# Altium PCB PCB_v4.PcbDoc (part 1 of 7) (continued)
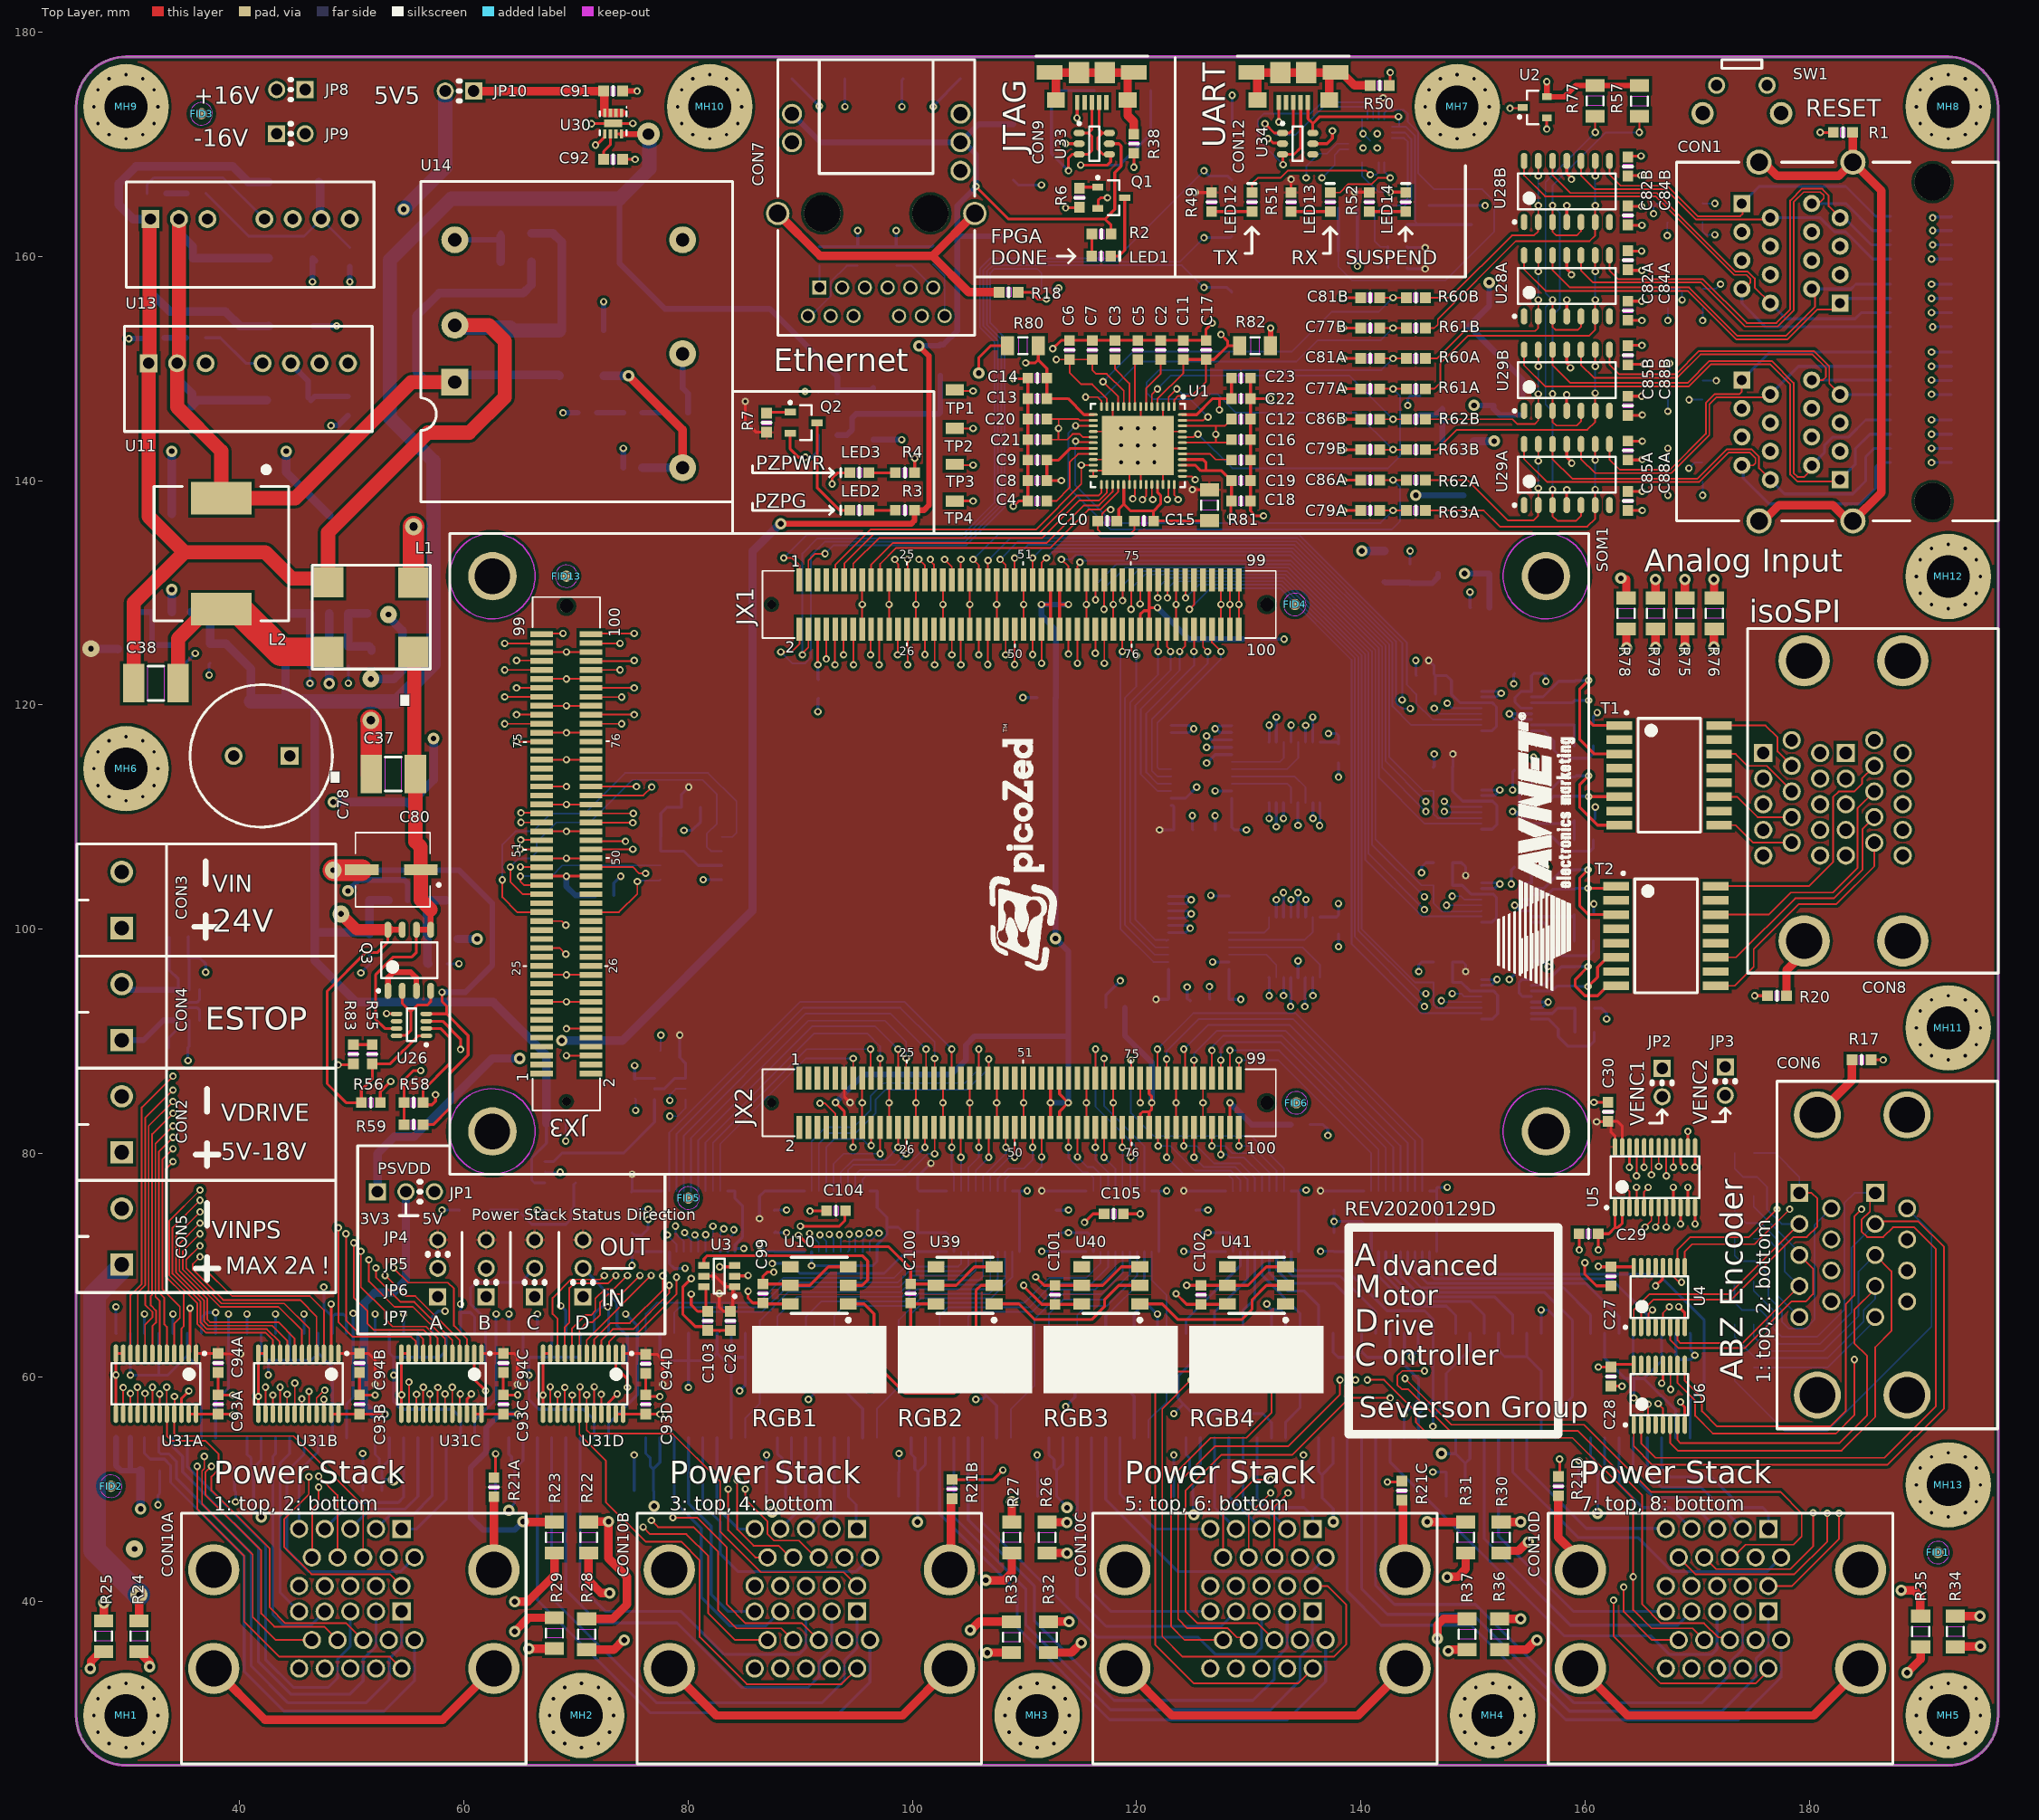
[diagram p0: Top Layer view]
## Classes and differential pairs (continued)
differential pair SPI2_OUT: +SPI2_OUT_P -SPI2_OUT_N
differential pair SPI2_IN: +SPI2_IN_P -SPI2_IN_N
differential pair SPI1_OUT: +SPI1_OUT_P -SPI1_OUT_N
differential pair SPI1_IN: +SPI1_IN_P -SPI1_IN_N
differential pair JTAG_USB: +JTAG_USB_P -JTAG_USB_N
differential pair UART_USB_D: +UART_USB_D_P -UART_USB_D_N
differential pair ANLG8: +ANLG_P4 -ANLG_N4
differential pair ANLG7: +ANLG_P5 -ANLG_N5
differential pair ANLG6: +ANLG_P1 -ANLG_N1
differential pair ANLG5: +ANLG_P8 -ANLG_N8
differential pair ANLG4: +ANLG_P7 -ANLG_N7
differential pair ANLG3: +ANLG_P2 -ANLG_N2
differential pair ANLG2: +ANLG_P3 -ANLG_N3
differential pair ANLG1: +ANLG_P6 -ANLG_N6
differential pair ETH_MD4: +ETH_MD4_P -ETH_MD4_N
differential pair ETH_MD3: +ETH_MD3_P -ETH_MD3_N
differential pair ETH_MD2: +ETH_MD2_P -ETH_MD2_N
differential pair ETH_MD1: +ETH_MD1_P -ETH_MD1_N

## Components (designator, comment, footprint, x,y, rotation, side; value= is the part's Value field where it differs from the comment)
C1 "Capacitor" 0603-CAP 129.311,141.832 r0 top value=10uF
C2 "Capacitor" 0603-CAP 122.135,151.654 r90 top value=10uF
C3 "Capacitor" 0603-CAP 118.075,151.654 r90 top value=10uF
C4 "Capacitor" 0603-CAP 111.147,138.176 r180 top value=10uF
C5 "Capacitor" 0603-CAP 120.105,151.654 r90 top value=1uF
C6 "Capacitor" 0603-CAP 114.016,151.654 r90 top value=0.1uF
C7 "Capacitor" 0603-CAP 116.046,151.654 r90 top value=0.1uF
C8 "Capacitor" 0603-CAP 111.147,140.004 r180 top value=10uF
C9 "Capacitor" 0603-CAP 111.147,141.832 r180 top value=0.1uF
C10 "Capacitor" 0603-CAP 117.385,136.398 r180 top value=0.1uF
C11 "Capacitor" 0603-CAP 124.165,151.654 r90 top value=0.1uF
C12 "Capacitor" 0603-CAP 129.311,145.487 r0 top value=0.1uF
C13 "Capacitor" 0603-CAP 111.147,147.315 r180 top value=10uF
C14 "Capacitor" 0603-CAP 111.147,149.143 r180 top value=0.1uF
C15 "Capacitor" 0603-CAP 120.661,136.398 r180 top value=0.1uF
C16 "Capacitor" 0603-CAP 129.311,143.659 r0 top value=0.1uF
C17 "Capacitor" 0603-CAP 126.195,151.654 r90 top value=0.1uF
C18 "Capacitor" 0603-CAP 129.311,138.176 r0 top value=10uF
C19 "Capacitor" 0603-CAP 129.311,140.004 r0 top value=0.1uF
C20 "Capacitor" 0603-CAP 111.147,145.487 r180 top value=0.1uF
C21 "Capacitor" 0603-CAP 111.147,143.659 r180 top value=0.1uF
C22 "Capacitor" 0603-CAP 129.311,147.315 r0 top value=10uF
C23 "Capacitor" 0603-CAP 129.311,149.143 r0 top value=0.1uF
C24 "Capacitor" 0603-CAP 91.606,121.412 r90 bottom value=100nF
C25 "Capacitor" 0603-CAP 34.544,99.251 r180 bottom value=100nF
C26 "Capacitor" 0603-CAP 83.767,65.036 r270 top value=1uF
C27 "Capacitor" 0603-CAP 162.305,69.017 r90 top value=100nF
C28 "Capacitor" 0603-CAP 162.305,60.077 r90 top value=100nF
C29 "Capacitor" 0603-CAP 160.318,72.817 r180 top value=100nF
C30 "Capacitor" 0603-CAP 162.043,83.693 r90 top value=100nF
C31 "Capacitor" 0603-CAP 101.852,160.147 r270 bottom value=0.1uF
C32 "Capacitor" 0603-CAP 98.552,160.02 r270 bottom value=0.1uF
C33 "Capacitor" 0603-CAP 91.694,160.02 r270 bottom value=0.1uF
C34 "Capacitor" 0603-CAP 95.123,160.02 r270 bottom value=0.1uF
C35 "Capacitor" 1808-CAP 44.374,147.163 r0 bottom value="1000pF, 2kV"
C36 "Capacitor" 1808-CAP 44.565,153.765 r0 bottom value="1000pF, 2kV"
C37 "Capacitor" 1812-CAP 53.693,113.826 r0 top value="6.8uF, 50V"
C38 "Capacitor" 1812-CAP 32.512,121.92 r0 top value="6.8uF, 50V"
C39 "Capacitor" 0603-CAP 49.645,146.655 r90 bottom value=10uF
C40 "Capacitor" 1812-CAP 33.77,146.655 r0 bottom value="6.8uF, 50V"
C41 "Capacitor" 1808-CAP 44.537,159.839 r0 bottom value="1000pF, 2kV"
C42 "Capacitor" 1808-CAP 45.085,166.629 r0 bottom value="1000pF, 2kV"
C43 "Capacitor" 0603-CAP 78.405,89.182 r180 bottom value=1uF
C44 "Capacitor" 0603-CAP 49.808,159.941 r270 bottom value=10uF
C45 "Capacitor" 0603-CAP 75.248,85.736 r270 bottom value=1uF
C46 "Capacitor" 1812-CAP 33.832,159.839 r0 bottom value="6.8uF, 50V"
C47 "Capacitor" 1808-CAP 70.485,149.352 r0 bottom value="1000pF, 2kV"
C48 "Capacitor" 1808-CAP 70.485,153.416 r0 bottom value="1000pF, 2kV"
C49 "Capacitor" 1812-CAP 64.389,151.384 r270 bottom value="6.8uF, 50V"
C50 "Capacitor" 0603-CAP 75.057,141.157 r0 bottom value=10uF
C51 "Capacitor" 0603-CAP 51.57,98.738 r270 bottom value=10uF
C52 "Capacitor" 0603-CAP 57.655,96.901 r0 bottom value=10uF
C53 "Capacitor" 0603-CAP 68.199,82.677 r0 bottom value=10uF
C54 "Capacitor" 0603-CAP 68.699,74.914 r180 bottom value=10uF
C55 "Capacitor" 0603-CAP 92.456,147.869 r180 bottom value=10uF
C56 "Capacitor" 0603-CAP 92.456,144.059 r180 bottom value=10uF
C57 "Capacitor" 0603-CAP 150.622,128.651 r0 bottom value=1uF
C58 "Capacitor" 0603-CAP 144.399,131.683 r270 bottom value=1uF
C59 "Capacitor" 0603-CAP 154.432,146.706 r270 bottom value=1uF
C60 "Capacitor" 0603-CAP 145.288,146.706 r90 bottom value=1uF
C61 "Capacitor" 0603-CAP 46.275,124.46 r270 bottom value=10uF
C62 "Capacitor" 0603-CAP 49.678,124.352 r270 bottom value=10uF
C63 "Capacitor" 0603-CAP 37.348,124.587 r270 bottom value=10uF
C64 "Capacitor" 0603-CAP 33.944,124.479 r270 bottom value=10uF
C65 "Capacitor" 0603-CAP 149.86,163.683 r90 bottom value=0.1uF
C66 "Capacitor" 0603-CAP 146.09,163.683 r90 bottom value=1uF
C67 "Capacitor" 0603-CAP 147.955,163.683 r90 bottom value=1uF
C68 "Capacitor" 0603-CAP 138.834,160.472 r180 bottom value=0.1uF
C69 "Capacitor" 0603-CAP 138.834,162.377 r180 bottom value=1uF
C70 "Capacitor" 0603-CAP 138.834,164.282 r180 bottom value=1uF
C71A "Capacitor" 0603-CAP 137.616,72.064 r90 bottom value=100nF (schematic designator C71)
C71B "Capacitor" 0603-CAP 125.281,72.064 r90 bottom value=100nF (schematic designator C71)
C71C "Capacitor" 0603-CAP 112.835,72.064 r90 bottom value=100nF (schematic designator C71)
C71D "Capacitor" 0603-CAP 100.454,72.064 r90 bottom value=100nF (schematic designator C71)
C71E "Capacitor" 0603-CAP 87.689,72.064 r90 bottom value=100nF (schematic designator C71)
C71F "Capacitor" 0603-CAP 74.989,72.064 r90 bottom value=100nF (schematic designator C71)
C72A "Capacitor" 0603-CAP 148.463,51.562 r180 bottom value=1uF (schematic designator C72)
C72B "Capacitor" 0603-CAP 124.152,51.562 r180 bottom value=1uF (schematic designator C72)
C72C "Capacitor" 0603-CAP 99.634,51.562 r180 bottom value=1uF (schematic designator C72)
C72D "Capacitor" 0603-CAP 76.034,51.816 r180 bottom value=1uF (schematic designator C72)
C72E "Capacitor" 0603-CAP 51.816,51.943 r180 bottom value=1uF (schematic designator C72)
C72F "Capacitor" 0603-CAP 32.004,51.689 r0 bottom value=1uF (schematic designator C72)
C73A "Capacitor" 0603-CAP 148.463,49.403 r180 bottom value=100nF (schematic designator C73)
C73B "Capacitor" 0603-CAP 124.152,49.403 r180 bottom value=100nF (schematic designator C73)
C73C "Capacitor" 0603-CAP 99.634,49.403 r180 bottom value=100nF (schematic designator C73)
C73D "Capacitor" 0603-CAP 76.034,49.911 r180 bottom value=100nF (schematic designator C73)
C73E "Capacitor" 0603-CAP 51.816,49.911 r180 bottom value=100nF (schematic designator C73)
C73F "Capacitor" 0603-CAP 32.004,49.657 r0 bottom value=100nF (schematic designator C73)
C74A "Capacitor" 0603-CAP 137.616,75.764 r90 bottom value=100nF (schematic designator C74)
C74B "Capacitor" 0603-CAP 125.281,75.764 r90 bottom value=100nF (schematic designator C74)
C74C "Capacitor" 0603-CAP 112.835,75.764 r90 bottom value=100nF (schematic designator C74)
C74D "Capacitor" 0603-CAP 100.454,75.764 r90 bottom value=100nF (schematic designator C74)
C74E "Capacitor" 0603-CAP 87.689,75.764 r90 bottom value=100nF (schematic designator C74)
C74F "Capacitor" 0603-CAP 74.989,75.764 r90 bottom value=100nF (schematic designator C74)
C75A "Capacitor" 0603-CAP 160.274,51.308 r180 bottom value=1uF (schematic designator C75)
C75B "Capacitor" 0603-CAP 135.692,51.308 r180 bottom value=1uF (schematic designator C75)
C75C "Capacitor" 0603-CAP 112.014,51.689 r180 bottom value=1uF (schematic designator C75)
C75D "Capacitor" 0603-CAP 87.838,51.689 r180 bottom value=1uF (schematic designator C75)
C75E "Capacitor" 0603-CAP 63.663,51.816 r180 bottom value=1uF (schematic designator C75)
C75F "Capacitor" 0603-CAP 40.386,51.943 r180 bottom value=1uF (schematic designator C75)
C76A "Capacitor" 0603-CAP 160.274,49.276 r180 bottom value=100nF (schematic designator C76)
C76B "Capacitor" 0603-CAP 135.692,49.276 r180 bottom value=100nF (schematic designator C76)
C76C "Capacitor" 0603-CAP 112.014,49.403 r180 bottom value=100nF (schematic designator C76)
C76D "Capacitor" 0603-CAP 87.838,49.657 r180 bottom value=100nF (schematic designator C76)
C76E "Capacitor" 0603-CAP 63.663,49.784 r180 bottom value=100nF (schematic designator C76)
C76F "Capacitor" 0603-CAP 40.386,49.911 r180 bottom value=100nF (schematic designator C76)
C77A "Capacitor" 0603-CAP 140.826,148.183 r180 top value=33nF (schematic designator C77)
C77B "Capacitor" 0603-CAP 140.826,153.605 r180 top value=33nF (schematic designator C77)
C78 "Cap Pol1" "CAP - UVR1H102MHD1TO" 44.45,115.443 r180 top value=1000uF
C79A "Capacitor" 0603-CAP 140.826,137.337 r180 top value=33nF (schematic designator C79)
C79B "Capacitor" 0603-CAP 140.826,142.76 r180 top value=33nF (schematic designator C79)
C80 "Cap Pol1" "CAP - UWT1V101MCL1GS" 56.972,101.981 r180 top value=100uF
C81A "Capacitor" 0603-CAP 140.826,150.894 r180 top value=33nF (schematic designator C81)
C81B "Capacitor" 0603-CAP 140.826,156.317 r180 top value=33nF (schematic designator C81)
C82A "Capacitor" 0603-CAP 163.83,159.66 r90 top value=1uF (schematic designator C82)
C82B "Capacitor" 0603-CAP 163.83,168.021 r90 top value=1uF (schematic designator C82)
C83 "Capacitor" 0603-CAP 72.517,102.997 r180 bottom value=10uF
C84A "Capacitor" 0603-CAP 163.83,155.162 r90 top value=1uF (schematic designator C84)
C84B "Capacitor" 0603-CAP 163.83,163.65 r90 top value=1uF (schematic designator C84)
C85A "Capacitor" 0603-CAP 163.83,142.685 r90 top value=1uF (schematic designator C85)
C85B "Capacitor" 0603-CAP 163.83,151.173 r90 top value=1uF (schematic designator C85)
C86A "Capacitor" 0603-CAP 140.826,140.048 r180 top value=33nF (schematic designator C86)
C86B "Capacitor" 0603-CAP 140.826,145.471 r180 top value=33nF (schematic designator C86)
C87 "Capacitor" 0603-CAP 118.098,92.964 r0 bottom value=10uF
C88A "Capacitor" 0603-CAP 163.83,138.187 r90 top value=1uF (schematic designator C88)
C88B "Capacitor" 0603-CAP 163.83,146.675 r90 top value=1uF (schematic designator C88)
C89 "Capacitor" 0603-CAP 130.302,125.857 r180 bottom value=10uF
C90 "Capacitor" 0603-CAP 134.611,82.55 r180 bottom value=10uF
C91 "Capacitor" 0603-CAP 73.303,174.752 r180 top value=1uF
C92 "Capacitor" 0603-CAP 73.303,168.656 r180 top value=0.1uF
C93A "Capacitor" 0603-CAP 38.069,57.586 r90 top value=0.1uF (schematic designator C93)
C93B "Capacitor" 0603-CAP 50.681,57.586 r90 top value=0.1uF (schematic designator C93)
C93C "Capacitor" 0603-CAP 63.508,57.586 r90 top value=0.1uF (schematic designator C93)
C93D "Capacitor" 0603-CAP 76.208,57.586 r90 top value=0.1uF (schematic designator C93)
C93E "Capacitor" 0603-CAP 127.859,108.856 r180 bottom value=0.1uF (schematic designator C93)
C93F "Capacitor" 0603-CAP 127.402,93.753 r180 bottom value=0.1uF (schematic designator C93)
C94A "Capacitor" 0603-CAP 38.069,61.286 r270 top value=0.1uF (schematic designator C94)
C94B "Capacitor" 0603-CAP 50.681,61.286 r270 top value=0.1uF (schematic designator C94)
C94C "Capacitor" 0603-CAP 63.508,61.286 r270 top value=0.1uF (schematic designator C94)
C94D "Capacitor" 0603-CAP 76.208,61.214 r270 top value=0.1uF (schematic designator C94)
C94E "Capacitor" 0603-CAP 124.159,108.856 r0 bottom value=0.1uF (schematic designator C94)
C94F "Capacitor" 0603-CAP 123.702,93.753 r0 bottom value=0.1uF (schematic designator C94)
C95 "Capacitor" 0603-CAP 138.008,100.389 r270 bottom value=0.1uF
C96 "Capacitor" 0603-CAP 137.999,115.668 r270 bottom value=0.1uF
C97A "Capacitor" 0603-CAP 145.796,122.609 r0 bottom value=0.1uF (schematic designator C97)
C97B "Capacitor" 0603-CAP 147.32,114.425 r0 bottom value=0.1uF (schematic designator C97)
C97C "Capacitor" 0603-CAP 147.32,105.913 r0 bottom value=0.1uF (schematic designator C97)
C97D "Capacitor" 0603-CAP 147.32,97.049 r0 bottom value=0.1uF (schematic designator C97)
C98A "Capacitor" 0603-CAP 154.571,122.809 r0 bottom value=0.1uF (schematic designator C98)
C98B "Capacitor" 0603-CAP 154.571,114.173 r0 bottom value=0.1uF (schematic designator C98)
C98C "Capacitor" 0603-CAP 154.571,105.537 r0 bottom value=0.1uF (schematic designator C98)
C98D "Capacitor" 0603-CAP 154.571,97.155 r0 bottom value=0.1uF (schematic designator C98)
C99 "Capacitor" 0603-CAP 86.663,67.485 r90 top value=100nF
C100 "Capacitor" 0603-CAP 99.845,67.485 r90 top value=100nF
C101 "Capacitor" 0603-CAP 112.723,67.362 r90 top value=100nF
C102 "Capacitor" 0603-CAP 125.747,67.362 r90 top value=100nF
C103 "Capacitor" 0603-CAP 81.735,65.036 r270 top value=1uF
C104 "Capacitor" 0603-CAP 93.185,74.867 r180 top value=10uF
C105 "Capacitor" 0603-CAP 117.956,74.588 r180 top value=10uF
C106 "Capacitor" 0603-CAP 111.95,120.647 r0 bottom value=10uF
C107 "Capacitor" 0603-CAP 80.255,110.871 r180 bottom value=100nF
CON1 "RJSAE538004" RJSAE538004 191.008,138.176 r90 top locked
CON2 "ScrewTerminal_1x2" 1935161 29.464,82.575 r90 top
CON3 "ScrewTerminal_1x2" 1935161 29.464,102.591 r90 top
CON4 "ScrewTerminal_1x2" 1935161 29.464,92.583 r90 top
CON5 "ScrewTerminal_1x2" 1935161 29.464,72.568 r90 top
CON6 "L17H2220131" L17H2220131 188.722,70.92 r90 top locked
CON7 "L829-1J1T-43" L829-1J1T-43 96.774,157.226 r0 top
CON8 "178-H15-513R497" 178-H15-513R497 197.231,111.43 r90 top locked
CON9 "1981584-1" 1981584-1 115.999,173.728 r180 top locked
CON10A "178-H15-513R497" 178-H15-513R497 50.165,25.146 r0 top locked (schematic designator CON10)
CON10B "178-H15-513R497" 178-H15-513R497 90.805,25.146 r0 top locked (schematic designator CON10)
CON10C "178-H15-513R497" 178-H15-513R497 131.445,25.146 r0 top locked (schematic designator CON10)
CON10D "178-H15-513R497" 178-H15-513R497 172.085,25.146 r0 top locked (schematic designator CON10)
CON11 "JTAG-SMT2-NC" JTAG-SMT2-NC 128.495,164.301 r270 bottom
CON12 "1981584-1" 1981584-1 133.978,173.728 r180 top locked
FID1 "FIDUCIAL" FID_1mm 191.478,44.376 r90 top
FID2 "FIDUCIAL" FID_1mm 28.502,50.292 r90 top
FID3 "FIDUCIAL" FID_1mm 36.576,172.72 r90 top
FID4 "FIDUCIAL" FID_1mm 134.112,128.946 r90 top
FID5 "FIDUCIAL" FID_1mm 80.01,76.001 r90 top
FID6 "FIDUCIAL" FID_1mm 134.239,84.496 r90 top
FID7 "FIDUCIAL" FID_1mm 184.15,174.117 r90 bottom
FID8 "FIDUCIAL" FID_1mm 174.625,55.118 r90 bottom
FID9 "FIDUCIAL" FID_1mm 149.313,73.76 r90 bottom
FID10 "FIDUCIAL" FID_1mm 134.086,121.411 r90 bottom
FID11 "FIDUCIAL" FID_1mm 29.845,35.56 r90 bottom
FID12 "FIDUCIAL" FID_1mm 38.1,171.45 r90 bottom
FID13 "FIDUCIAL" FID_1mm 69.132,131.473 r90 top
JP1 "Jumper3" PIN_HEADER_1X3 54.816,76.561 r0 top
JP2 "Jumper2" PIN_HEADER_1x2 166.877,86.3 r270 top
JP3 "Jumper2" PIN_HEADER_1x2 172.511,86.427 r270 top
JP4 "Jumper3" PIN_HEADER_1X3 57.655,69.731 r90 top
JP5 "Jumper3" PIN_HEADER_1X3 61.974,69.731 r90 top
JP6 "Jumper3" PIN_HEADER_1X3 66.293,69.731 r90 top
JP7 "Jumper3" PIN_HEADER_1X3 70.612,69.731 r90 top
JP8 "Jumper2" PIN_HEADER_1x2 44.553,174.876 r180 top
JP9 "Jumper2" PIN_HEADER_1x2 44.553,170.942 r0 top
JP10 "Jumper2" PIN_HEADER_1x2 59.594,174.752 r180 top
L1 "CMC  744273801" "CMC 744273801" 55.479,124.714 r180 top
L2 "7447709221" 7447709221 38.354,133.477 r180 top value=220uH
LED1 "LED" 0603-LED 116.84,160.02 r180 top value=YELLOW
LED2 "LED" 0603-LED 95.264,137.35 r0 top value=RED
LED3 "LED" 0603-LED 95.264,140.702 r0 top value=GREEN
LED12 "LED" 0603-LED 130.293,164.849 r270 top value=RED
LED13 "LED" 0603-LED 137.274,164.849 r270 top value=GREEN
LED14 "LED" 0603-LED 144.007,164.849 r270 top value=YELLOW
MH1 "MOUNT_HOLE" MOUNTING_HOLE 29.845,29.845 r0 top locked
MH2 "MOUNT_HOLE" MOUNTING_HOLE 70.485,29.845 r0 top locked
MH3 "MOUNT_HOLE" MOUNTING_HOLE 111.125,29.845 r0 top locked
MH4 "MOUNT_HOLE" MOUNTING_HOLE 151.765,29.845 r0 top locked
MH5 "MOUNT_HOLE" MOUNTING_HOLE 192.405,29.845 r0 top locked
MH6 "MOUNT_HOLE" MOUNTING_HOLE 29.845,114.3 r0 top
MH7 "MOUNT_HOLE" MOUNTING_HOLE 148.59,173.355 r0 top locked
MH8 "MOUNT_HOLE" MOUNTING_HOLE 192.405,173.355 r0 top locked
MH9 "MOUNT_HOLE" MOUNTING_HOLE 29.845,173.355 r0 top locked
MH10 "MOUNT_HOLE" MOUNTING_HOLE 81.915,173.355 r0 top locked
MH11 "MOUNT_HOLE" MOUNTING_HOLE 192.405,91.186 r0 top locked
MH12 "MOUNT_HOLE" MOUNTING_HOLE 192.405,131.445 r0 top locked
MH13 "MOUNT_HOLE" MOUNTING_HOLE 192.405,50.419 r0 top locked
Q1 "MOSFET" SOT95P245X110-3N 117.736,165.233 r0 top
Q2 "MOSFET" SOT95P245X110-3N 90.297,145.161 r0 top
Q3 "Si4946CDY" SOIC127P600X175-8N 55.118,97.212 r90 top
R1 "Resistor" 0603-RES 183.007,171.057 r0 top value=DNP
R2 "Resistor" 0603-RES 116.866,161.993 r180 top value=470
R3 "Resistor" 0603-RES 99.328,137.35 r180 top value=470
R4 "Resistor" 0603-RES 99.328,140.702 r180 top value=470
R5 "Resistor" 0603-RES 34.522,89.408 r180 bottom value=100
R6 "Resistor" 0603-RES 114.894,165.233 r270 top value=100
R7 "Resistor" 0603-RES 86.995,145.161 r270 top value=100
R8 "Resistor" 0603-RES 34.544,97.409 r180 bottom value=10k
R9A "Resistor" 0603-RES 145.796,120.943 r0 bottom value=2.8k (schematic designator R9)
R9B "Resistor" 0603-RES 147.32,112.315 r0 bottom value=2.8k (schematic designator R9)
R9C "Resistor" 0603-RES 147.32,103.899 r0 bottom value=2.8k (schematic designator R9)
R9D "Resistor" 0603-RES 147.32,95.247 r0 bottom value=2.8k (schematic designator R9)
R10A "Resistor" 0603-RES 159.893,116.332 r0 bottom value=2.8k (schematic designator R10)
R10B "Resistor" 0603-RES 159.893,107.95 r0 bottom value=2.8k (schematic designator R10)
R10C "Resistor" 0603-RES 159.893,98.933 r0 bottom value=2.8k (schematic designator R10)
R10D "Resistor" 0603-RES 159.952,90.786 r0 bottom value=2.8k (schematic designator R10)
R11 "Resistor" 0603-RES 174.195,80.028 r0 bottom value=100
R12 "Resistor" 0603-RES 174.195,76.2 r0 bottom value=100
R13 "Resistor" 0603-RES 174.195,72.372 r0 bottom value=100
R14 "Resistor" 0603-RES 174.195,68.544 r0 bottom value=100
R15 "Resistor" 0603-RES 174.195,64.715 r0 bottom value=100
R16 "Resistor" 0603-RES 174.195,60.887 r0 bottom value=100
R17 "Resistor" 0603-RES 184.666,88.328 r0 top value=DNP
R18 "Resistor" 0603-RES 108.585,156.801 r180 top value=DNP
R19A "Resistor" 0603-RES 159.893,118.193 r180 bottom value=1.2k (schematic designator R19)
R19B "Resistor" 0603-RES 159.893,109.691 r180 bottom value=1.2k (schematic designator R19)
R19C "Resistor" 0603-RES 159.893,101.28 r180 bottom value=1.2k (schematic designator R19)
R19D "Resistor" 0603-RES 159.952,92.927 r180 bottom value=1.2k (schematic designator R19)
R20 "Resistor" 0603-RES 177.122,94.043 r0 top value=DNP
R21A "Resistor" 0603-RES 62.662,50.209 r90 top value=DNP (schematic designator R21)
R21B "Resistor" 0603-RES 103.532,50.038 r90 top value=DNP (schematic designator R21)
R21C "Resistor" 0603-RES 143.654,49.903 r90 top value=DNP (schematic designator R21)
R21D "Resistor" 0603-RES 157.619,50.296 r90 top value=DNP (schematic designator R21)
R22 "Resistor" 1206-RES 71.12,45.72 r90 top value=0
R23 "Resistor" 1206-RES 68.072,45.72 r90 top value=0
R24 "Resistor" 1206-RES 30.996,36.915 r90 top value=0
R25 "Resistor" 1206-RES 27.862,36.915 r90 top value=0
R26 "Resistor" 1206-RES 112.014,45.72 r90 top value=0
R27 "Resistor" 1206-RES 108.863,45.72 r90 top value=0
R28 "Resistor" 1206-RES 70.942,37.084 r90 top value=0
R29 "Resistor" 1206-RES 68.072,37.189 r90 top value=0
R30 "Resistor" 1206-RES 152.519,45.72 r90 top value=0
R31 "Resistor" 1206-RES 149.352,45.72 r90 top value=0
R32 "Resistor" 1206-RES 112.117,36.83 r90 top value=0
R33 "Resistor" 1206-RES 108.815,36.83 r90 top value=0
R34 "Resistor" 1206-RES 193.04,37.338 r90 top value=0
R35 "Resistor" 1206-RES 189.941,37.338 r90 top value=0
R36 "Resistor" 1206-RES 152.363,37.084 r90 top value=0
R37 "Resistor" 1206-RES 149.483,37.084 r90 top value=0
R38 "Resistor" 0603-RES 119.752,170.053 r270 top value=DNP
R39 "Resistor" 0603-RES 36.07,152.739 r0 bottom value=10k
R40 "Resistor" 0603-RES 32.416,152.739 r0 bottom value=10k
R41 "Resistor" 0603-RES 32.578,165.613 r180 bottom value=10k
R42 "Resistor" 0603-RES 36.126,165.613 r180 bottom value=10k
R43 "Resistor" 0603-RES 79.121,146.063 r0 bottom value=10k
R44 "Resistor" 0603-RES 75.057,146.063 r0 bottom value=10k
R45 "Resistor" 0603-RES 70.993,146.063 r0 bottom value=10k
R46 "Resistor" 1206-RES 64.643,159.512 r0 bottom value=0
R47 "Resistor" 1206-RES 64.643,162.052 r0 bottom value=DNP
R48 "Resistor" 0603-RES 143.26,162.777 r0 bottom value=100
R49 "Resistor" 0603-RES 126.677,164.849 r90 top value=470
R50 "Resistor" 0603-RES 141.676,175.248 r0 top value=DNP
R51 "Resistor" 0603-RES 133.774,164.849 r90 top value=470
R52 "Resistor" 0603-RES 140.752,164.849 r90 top value=470
R53 "Resistor" 0603-RES 143.26,158.968 r180 bottom value=10k
R54 "Resistor" 0603-RES 143.26,160.853 r180 bottom value=10k
R55 "Resistor" 0603-RES 51.816,88.83 r90 top value=5.9M
R56 "Resistor" 0603-RES 51.689,84.512 r0 top value=178k
R57 "Resistor" 1206-RES 164.846,173.863 r270 top value=0
R58 "Resistor" 0603-RES 55.499,84.512 r0 top value=121k
R59 "Resistor" 0603-RES 55.499,82.55 r0 top value=178k
R60A "Resistor" 0603-RES 144.907,150.894 r0 top value=100 (schematic designator R60)
R60B "Resistor" 0603-RES 144.907,156.317 r0 top value=100 (schematic designator R60)
R61A "Resistor" 0603-RES 144.907,148.183 r0 top value=100 (schematic designator R61)
R61B "Resistor" 0603-RES 144.907,153.605 r0 top value=100 (schematic designator R61)
R62A "Resistor" 0603-RES 144.907,140.048 r0 top value=100 (schematic designator R62)
R62B "Resistor" 0603-RES 144.907,145.471 r0 top value=100 (schematic designator R62)
R63A "Resistor" 0603-RES 144.907,137.337 r0 top value=100 (schematic designator R63)
R63B "Resistor" 0603-RES 144.907,142.76 r0 top value=100 (schematic designator R63)
R64 "Resistor" 1206-RES 58.061,99.119 r180 bottom value=0
R65 "Resistor" 1206-RES 60.96,74.914 r180 bottom value=0
R66 "Resistor" 0603-RES 159.099,121.25 r90 bottom value=120
R67 "Resistor" 0603-RES 159.099,112.7 r90 bottom value=120
R68 "Resistor" 0603-RES 159.099,104.415 r90 bottom value=120
R69 "Resistor" 0603-RES 159.099,95.776 r90 bottom value=120
R70 "Resistor" 1206-RES 102.489,150.749 r270 bottom value=0
R71 "Resistor" 1206-RES 142.113,132.334 r270 bottom value=0
R72 "Resistor" 1206-RES 53.121,124.841 r180 bottom value=0
R73 "Resistor" 1206-RES 30.503,124.968 r0 bottom value=0
R74 "Resistor" 1206-RES 148.717,143.51 r180 bottom value=0
R75 "Resistor" 1206-RES 168.909,128.143 r90 top value=0
R76 "Resistor" 1206-RES 171.534,128.143 r90 top value=0
R77 "Resistor" 1206-RES 160.909,173.873 r270 top value=0
R78 "Resistor" 1206-RES 163.66,128.143 r90 top value=0
R79 "Resistor" 1206-RES 166.285,128.143 r90 top value=0
R80 "Resistor" 1206-RES 109.855,152.031 r0 top value=0
R81 "Resistor" 1206-RES 126.492,137.795 r270 top value=0
R82 "Resistor" 1206-RES 130.556,152.031 r180 top value=0
R83 "Resistor" 0603-RES 50.126,88.83 r90 top value=5.9M
R84 "Resistor" 0603-RES 170.485,148.064 r90 bottom value=100k
R85 "Resistor" 0603-RES 170.485,140.755 r90 bottom value=100k
R86 "Resistor" 0603-RES 170.485,163.898 r90 bottom value=100k
R87 "Resistor" 0603-RES 170.485,156.252 r90 bottom value=100k
R88 "Resistor" 0603-RES 167.386,140.755 r270 bottom value=100k
R89 "Resistor" 0603-RES 167.386,148.064 r270 bottom value=100k
R90 "Resistor" 0603-RES 167.386,156.252 r270 bottom value=100k
R91 "Resistor" 0603-RES 167.386,163.878 r270 bottom value=100k
SOM1 "PicoZed" PicoZedSOM 160.318,78.133 r90 top locked
SW1 "1825027-5" 1825027-5 173.99,175.26 r180 top
T1 "HX1188NLT" HX1188NLT 167.513,113.706 r270 top
T2 "HX1188NLT" HX1188NLT 167.218,99.38 r270 top
TP1 "Test Point" RCU-0C 103.772,148.082 r90 top
TP2 "Test Point" RCU-0C 103.772,144.65 r90 top
TP3 "Test Point" RCU-0C 103.772,141.451 r90 top
TP4 "Test Point" RCU-0C 103.772,138.176 r90 top
TP15 "Test Point" TP-125 89.256,175.804 r0 bottom
TP16 "Test Point" TP-125 93.98,175.804 r0 bottom
TP17 "Test Point" TP-125 99.187,175.804 r0 bottom
TP18 "Test Point" TP-125 104.292,175.804 r0 bottom
U1 "LTC2320-14" QFN50P700X800X80_HS-53N 120.105,143.129 r270 top
U2 "REF3020AIDBZT" SOT23-3 155.575,173.228 r90 top
U3 "74LVC1T45GW,125" SOT95P280X145-6N 82.771,69.035 r180 top
U4 "AM26C32" TSOP65P640X120-16N 166.623,67.167 r90 top
U5 "SN74LVC8T245" TSOP65P640X120-24N 166.243,77.851 r90 top
U6 "AM26C32" TSOP65P640X120-16N 166.623,58.46 r90 top
U7 "AM26C32" TSOP65P640X120-16N 134.086,113.973 r90 bottom
U8 "AM26C31" TSOP65P640X120-16N 134.086,98.366 r90 bottom
U9A "LTC6820IMS#TRPBF" TSSOP50P490X110-16N 152.996,119.444 r0 bottom (schematic designator U9)
U9B "LTC6820IMS#TRPBF" TSSOP50P490X110-16N 152.996,110.65 r0 bottom (schematic designator U9)
U9C "LTC6820IMS#TRPBF" TSSOP50P490X110-16N 152.996,102.365 r0 bottom (schematic designator U9)
U9D "LTC6820IMS#TRPBF" TSSOP50P490X110-16N 152.996,93.726 r0 bottom (schematic designator U9)
U10 "IN-PI556FCH" IN-PI556FCH 91.689,68.212 r0 top
U11 "DCDC Converter RS6" "RS6 DCDC" 31.865,150.465 r0 top
U12 "74LVC1T45GW,125" SOT95P280X145-6N 78.38,85.736 r180 bottom
U13 "DCDC Converter RS6" "RS6 DCDC" 32.028,163.329 r0 top
U14 "SHHD003A0A4Z" "DCDC SHHD003A0A41-SRZ" 79.502,161.477 r0 top
U15 "LT1529CQ-5#PBF" 5-DDPAK 54.973,102.548 r180 bottom
U16 "AP2112K-1.8TRG1" SOT95P280X145-5N 68.58,78.304 r0 bottom
U17 "AP2114H-3.3TRG1" SOT230P700X180-4N 99.441,145.964 r0 bottom
U18 "MC78M15CDTRKG" DPAK229P991X238-3N 149.173,135.763 r90 bottom
U19 "MC79M15CDTRKG" DPAK229P991X238-3N 149.554,150.786 r90 bottom
U20 "LT1529CQ-5#PBF" 5-DDPAK 47.976,128.143 r180 bottom
U21 "LT1764EQ-1.8#PBF-ND" 5-DDPAK 33.944,128.27 r180 bottom
U22 "CP2102N" QFN50P400X400X80_HS-25N 140.843,170.307 r270 bottom
U23A "TC4468" "SOIC16_N - wide" 148.463,63.93 r270 bottom (schematic designator U23)
U23B "TC4468" "SOIC16_N - wide" 124.406,63.93 r270 bottom (schematic designator U23)
U23C "TC4468" "SOIC16_N - wide" 99.888,63.93 r270 bottom (schematic designator U23)
U23D "TC4468" "SOIC16_N - wide" 76.212,63.93 r270 bottom (schematic designator U23)
U23E "TC4468" "SOIC16_N - wide" 52.07,63.93 r270 bottom (schematic designator U23)
U23F "TC4468" "SOIC16_N - wide" 28.956,63.93 r270 bottom (schematic designator U23)
U24A "SN74LVC8T245" TSOP65P640X120-24N 143.204,73.914 r270 bottom (schematic designator U24)
U24B "SN74LVC8T245" TSOP65P640X120-24N 130.869,73.914 r270 bottom (schematic designator U24)
U24C "SN74LVC8T245" TSOP65P640X120-24N 118.423,73.914 r270 bottom (schematic designator U24)
U24D "SN74LVC8T245" TSOP65P640X120-24N 105.977,73.914 r270 bottom (schematic designator U24)
U24E "SN74LVC8T245" TSOP65P640X120-24N 93.277,73.914 r270 bottom (schematic designator U24)
U24F "SN74LVC8T245" TSOP65P640X120-24N 80.577,73.914 r270 bottom (schematic designator U24)
U25A "TC4468" "SOIC16_N - wide" 160.482,63.93 r270 bottom (schematic designator U25)
U25B "TC4468" "SOIC16_N - wide" 136.247,63.93 r270 bottom (schematic designator U25)
U25C "TC4468" "SOIC16_N - wide" 112.162,63.93 r270 bottom (schematic designator U25)
U25D "TC4468" "SOIC16_N - wide" 87.943,63.93 r270 bottom (schematic designator U25)
U25E "TC4468" "SOIC16_N - wide" 63.999,63.93 r270 bottom (schematic designator U25)
U25F "TC4468" "SOIC16_N - wide" 40.64,63.93 r270 bottom (schematic designator U25)
U26 "LTC4365" TSOP65P280X100-8N 55.31,91.45 r180 top
U27 "CAT25128VI-GT3" SOIC127P600X175-8N 80.255,106.308 r180 bottom
U28A "INA2143UA" SOIC127P600X175-14N 158.369,157.372 r90 top locked (schematic designator U28)
U28B "INA2143UA" SOIC127P600X175-14N 158.369,165.793 r90 top locked (schematic designator U28)
U29A "INA2143UA" SOIC127P600X175-14N 158.369,140.531 r90 top locked (schematic designator U29)
U29B "INA2143UA" SOIC127P600X175-14N 158.369,148.952 r90 top locked (schematic designator U29)
U30 "TPS22965DSGT" SON50P200X80_HS-9N 73.303,171.855 r270 top
U31A "SN74LVC8T245PWR" TSOP65P640X120-24N 32.52,59.436 r270 top (schematic designator U31)
U31B "SN74LVC8T245PWR" TSOP65P640X120-24N 45.22,59.436 r270 top (schematic designator U31)
U31C "SN74LVC8T245PWR" TSOP65P640X120-24N 57.98,59.436 r270 top (schematic designator U31)
U31D "SN74LVC8T245PWR" TSOP65P640X120-24N 70.62,59.436 r270 top (schematic designator U31)
U31E "SN74LVC8T245PWR" TSOP65P640X120-24N 125.777,114.59 r0 bottom (schematic designator U31)
U31F "SN74LVC8T245PWR" TSOP65P640X120-24N 125.552,99.341 r0 bottom (schematic designator U31)
U32 "NUP4114HMR6T1G" TSOP95P280X110-6N 35.472,93.218 r270 bottom
U33 "NUP4114HMR6T1G" TSOP95P280X110-6N 116.218,170.053 r0 top
U34 "NUP4114HMR6T1G" TSOP95P280X110-6N 134.366,170.053 r0 top
U35 "SMDA12CTR" SOIC127P600X175-8N 189.992,143.51 r0 bottom
U36 "SMDA12CTR" SOIC127P600X175-8N 189.992,161.671 r0 bottom
U37 "SMDA12CTR" SOIC127P600X175-8N 189.992,149.564 r0 bottom
U38 "SMDA12CTR" SOIC127P600X175-8N 189.992,155.617 r0 bottom
U39 "IN-PI556FCH" IN-PI556FCH 104.689,68.212 r0 top
U40 "IN-PI556FCH" IN-PI556FCH 117.689,68.212 r0 top
U41 "IN-PI556FCH" IN-PI556FCH 130.689,68.212 r0 top

## Footprints (in the part's own frame and the unit in brackets; to place one, negate y for a bottom-side part, rotate by r counter-clockwise, add the part's x,y. Pads: shape width x height; smd on the part's side, far side on the other; paste and mask are expansions set on the pad)
5-DDPAK [mil] "Q PACKAGE  5-LEAD PLASTIC DD"
  rect 42x90 smd: 1(-134,0) 2(-67,0) 3(0,0) 4(67,0) 5(134,0)
  rect 420x350 smd: 6(0,345)
  body extent -200,-37 200,515, height 180
178-H15-513R497 [mil] "CONN D-SUB RCPT/RCPT 15/15POS RA"
  rect 64x64 hole 44: 1A(168,840) 1B(168,550)
  round 64 hole 44: 2A(78,840) 2B(78,550) 3A(-12,840) 3B(-12,550) 4A(-102,840) 4B(-102,550) 5A(-192,840) 5B(-192,550) 6A(213,740) 6B(213,450) 7A(123,740) 7B(123,450) 8A(33,740) 8B(33,450) 9A(-57,740) 9B(-57,450) 10A(-147,740) 10B(-147,450) 11A(168,640) 11B(168,350) 12A(78,640) 12B(78,350) 13A(-12,640) 13B(-12,350) 14A(-102,640) 14B(-102,350) 15A(-192,640) 15B(-192,350)
  round 180 hole 126: SH1(492,350) SH2(-492,350) SH3(-492,696.46) SH4(492,696.46)
  silkscreen extent -605,15 605,895, body extent -608,-238 604,893, height 1249
0603-CAP [mm]
  rect 0.95x0.95 smd: 1(-0.85,0) 2(0.85,0)
  Top Layer keep-out region: -0.2,0.4 0.2,0.4 0.2,-0.4 -0.2,-0.4
  silkscreen extent 0,-0.38 0,0.38, body extent -0.8,-0.4 0.8,0.4, height 0.79
0603-LED [mm]
  rect 0.95x0.95 smd: A(0.85,0) C(-0.85,0)
  Top Layer keep-out region: -0.2,0.4 0.2,0.4 0.2,-0.4 -0.2,-0.4
  silkscreen extent -1.65,-0.38 0,0.38, body extent -0.83,-0.37 0.82,0.36, height 0.68
0603-RES [mm]
  rect 0.95x0.95 smd: 1(-0.85,0) 2(0.85,0)
  Top Layer keep-out region: -0.2,0.4 0.2,0.4 0.2,-0.4 -0.2,-0.4
  silkscreen extent 0,-0.38 0,0.38, body extent -0.8,-0.4 0.8,0.4, height 0.44
1206-RES [mm] "Chip Resistor, 2-Leads, Body 3.10x1.60mm, IPC Medium Density"
  rect 1.15x1.7 smd: 1(-1.375,0) 2(1.375,0)
  Top Layer keep-out region: -0.4,0.75 -0.4,-0.75 0.4,-0.75 0.4,0.75
  silkscreen extent -0.4,-0.75 0.4,0.75, body extent -1.6,-0.85 1.6,0.85, height 0.65
1808-CAP [mil]
  rect 75x90 smd: 1(-77.48,0) 2(77.48,0)
  Top Layer keep-out region: -28,40 28,40 28,-40 -28,-40
  silkscreen extent -28,-40 28,40
1812-CAP [mil]
  rect 75x135 smd: 1(-77.48,0) 2(77.48,0)
  Top Layer keep-out region: -28,60 28,60 28,-60 -28,-60
  silkscreen extent -28,-60 28,60
1825027-5 [mm] "SWITCH TACTILE SPST-NO 0.05A 24V"
  round 1.524 hole 0.991: 1(-2.25,0) 2(2.25,0)
  round 2 hole 1.295: SH(-3.505,2.49) SH(3.505,2.49)
  silkscreen extent -1.78,-2.29 1.78,-1.52, body extent -4.2,-3.06 4.2,4.09, height 7
1935161 [mm] "TERM BLOCK PCB 2POS 5.0MM GREEN"
  rect 2x2 hole 1.3: 1(-2.5,0)
  round 2 hole 1.3: 2(2.5,0)
  silkscreen extent -5,-4 5,4, body extent -5.4,-4 5,5, height 11.5
1981584-1 [mm] "CONN RCPT MICRO USB TYPE AB"
  rect 0.4x1.35 smd: 1(-1.3,0) 2(-0.65,0) 3(0,0) 4(0.65,0) 5(1.3,0)
  rect 2.3x1.3 smd: SH(-3.75,-2.675) SH(3.75,-2.675)
  rect 1.6x1.4 smd: SH(-3.2,-0.225) SH(3.2,-0.225)
  rect 1.8x1.9 smd: SH(-1.15,-2.675) SH(1.15,-2.675)
  silkscreen extent -5,-4.13 5,-4.13, body extent -4.38,-5.48 4.43,0.12, height 2.76
7447709221 [mm] "FIXED IND 220UH 1.8A 300 MOHM"
  rect 5.4x2.9 smd: 1(0,-4.95) 2(0,4.95)
  silkscreen extent -6,-7.75 6,6, body extent -6,-6 6,6, height 9.46
"CAP - UVR1H102MHD1TO" [mm] "CAP ALUM 1000UF 20% 50V RADIAL"
  rect 1.6x1.6 hole 1: 1(0,0)
  round 1.6 hole 1: 2(5.004,0)
  silkscreen extent -3.81,-6.35 8.89,6.35, body extent -3.75,-6.25 8.76,6.25, height 25.01
"CAP - UWT1V101MCL1GS" [mm] "100uF cap"
  rect 3x1 smd: 1(0.838,-3.302) 2(6.088,-3.302)
  silkscreen extent -0.79,-6.6 6.65,0, body extent 0.19,-6.44 6.49,-0.14, height 7.7
"CMC 744273801" [mm] "CMC 9UH 3.5A 2LN 800 OHM SMD"
  rect 2.7x2.7 smd: 1(0,0) 2(0,-6.2) 3(7.6,-6.223) 4(7.6,0)
  silkscreen extent -1.52,-7.75 9.02,1.52, body extent -0.89,-7.45 8.61,0.85, height 5.3
"DCDC SHHD003A0A41-SRZ" [mm] "DC/DC CONVERTER 15W 5V 3A"
  rect 2.4x2.4 hole 1.2: 1(-20.32,-12.7)
  round 2.4 hole 1.2: 2(-20.32,-7.62) 3(-20.32,0) 4(0,0) 5(0,-10.16) 6(0,-20.32)
  silkscreen extent -23.37,-23.37 4.44,5.21
DPAK229P991X238-3N [mm] "D-PAK, 3-Pads, Body 6.21x6.73mm (max), IPC Medium Density"
  rect 3x1.6 smd: 1(-4.08,2.285) 3(-4.08,-2.285)
  rect 5.8x6.2 smd: 4(2.9,0)
  silkscreen extent -4.22,-3.35 0.1,3.94, body extent -5.16,-3.37 4.75,3.37, height 2.38
FID_1mm [mm]
  round 1 smd mask+0.5: 1(0,0)
  Top Layer keep-out circle w0.1: c0,0 r1
HX1188NLT [mil] "XFRMR MAGNETIC 1PORT 1:1 10/100"
  rect 30x90 smd: 1(-175,-175) 2(-125,-175) 3(-75,-175) 4(-25,-175) 5(25,-175) 6(75,-175) 7(125,-175) 8(175,-175) 9(175,175) 10(125,175) 11(75,175) 12(25,175) 13(-25,175) 14(-75,175) 15(-125,175) 16(-175,175)
  silkscreen extent -225,-155 200,110, body extent -250,-181 250,189, height 235
IN-PI556FCH [mm] "LED RGB 5050 SMD"
  rect 1.5x1 smd: 1(2.6,-1.65) 2(2.6,0) 3(2.6,1.65) 4(-2.6,1.65) 5(-2.6,0) 6(-2.6,-1.65)
  silkscreen extent -2.5,-3.25 2.75,2.5, body extent -2.75,-2.5 2.75,2.5, height 1.55
JTAG-SMT2-NC [mm]
  rect 3.5x3 smd: 1(-7.5,0) 2(-2.5,0) 3(2.5,0) 4(7.5,0) 8(7.5,19.5) 9(2.5,19.5) 10(-2.5,19.5) 11(-7.5,19.5)
  rect 3x3.5 smd: 5(10.25,4.75) 6(10.25,9.75) 7(10.25,14.75) 12(-10.5,12.25) 13(-10.5,7.25)
  body extent -11.25,-1 11.5,20.5, height 2.7
L17H2220131 [mm] "CONN D-SUB RCPT 9POS R/A SLDR"
  rect 1.6x1.6 hole 1.1: 1B(5.54,2.84) 1T(5.54,9.6)
  round 1.6 hole 1.1: 2B(2.77,2.84) 2T(2.77,9.6) 3B(0,2.84) 3T(0,9.6) 4B(-2.77,2.84) 4T(-2.77,9.6) 5B(-5.54,2.84) 5T(-5.54,9.6) 6B(4.155,0) 6T(4.155,6.76) 7B(1.385,0) 7T(1.385,6.76) 8B(-1.385,0) 8T(-1.385,6.76) 9B(-4.155,0) 9T(-4.155,6.76)
  round 4.2 hole 3.2: SH1(-12.5,8) SH2(-12.5,0) SH3(12.5,0) SH4(12.5,8)
  silkscreen extent -15.5,-8.08 15.5,11.6, body extent -15.4,-13.8 15.41,11.6, height 31.67
L829-1J1T-43 [mil] "CONN MAGJACK 1PORT 1000 BASE-T"
  rect 50x50 hole 35.04: 1(-200,0)
  round 50 hole 35.04: 2(-120.08,0) 3(-40.08,0) 4(40,0) 5(119.92,0) 6(199.92,0) 7(-240,-100) 8(-160,-100) 9(-80,-100) 10(80,-100) 11(160,-100) 12(240,-100)
  round 70 hole 50: 13(-296,510) 14(-296,610) 15(296,410) 16(296,510) 17(296,610)
  round 82 hole 62: 18(-346,260) 19(346,260)
  round 127.95 hole 127.95: 20(-190,260) 21(190,260)
  silkscreen extent -346,-167 346,800, body extent -401,-167 401,800, height 493
MOUNTING_HOLE [mil]
  round 30 hole 12: 1(-112.5,0) 1(-98.43,-59.06) 1(-98.43,59.06) 1(-59.06,-98.43) 1(-59.06,98.43) 1(0,-112.5) 1(0,112.5) 1(59.06,-98.43) 1(59.06,98.43) 1(98.43,-59.06) 1(98.43,59.06) 1(112.5,0)
  round 300 hole 150: 1(0,0)